# Allegro board PandaX_III_V3.brd (continued)
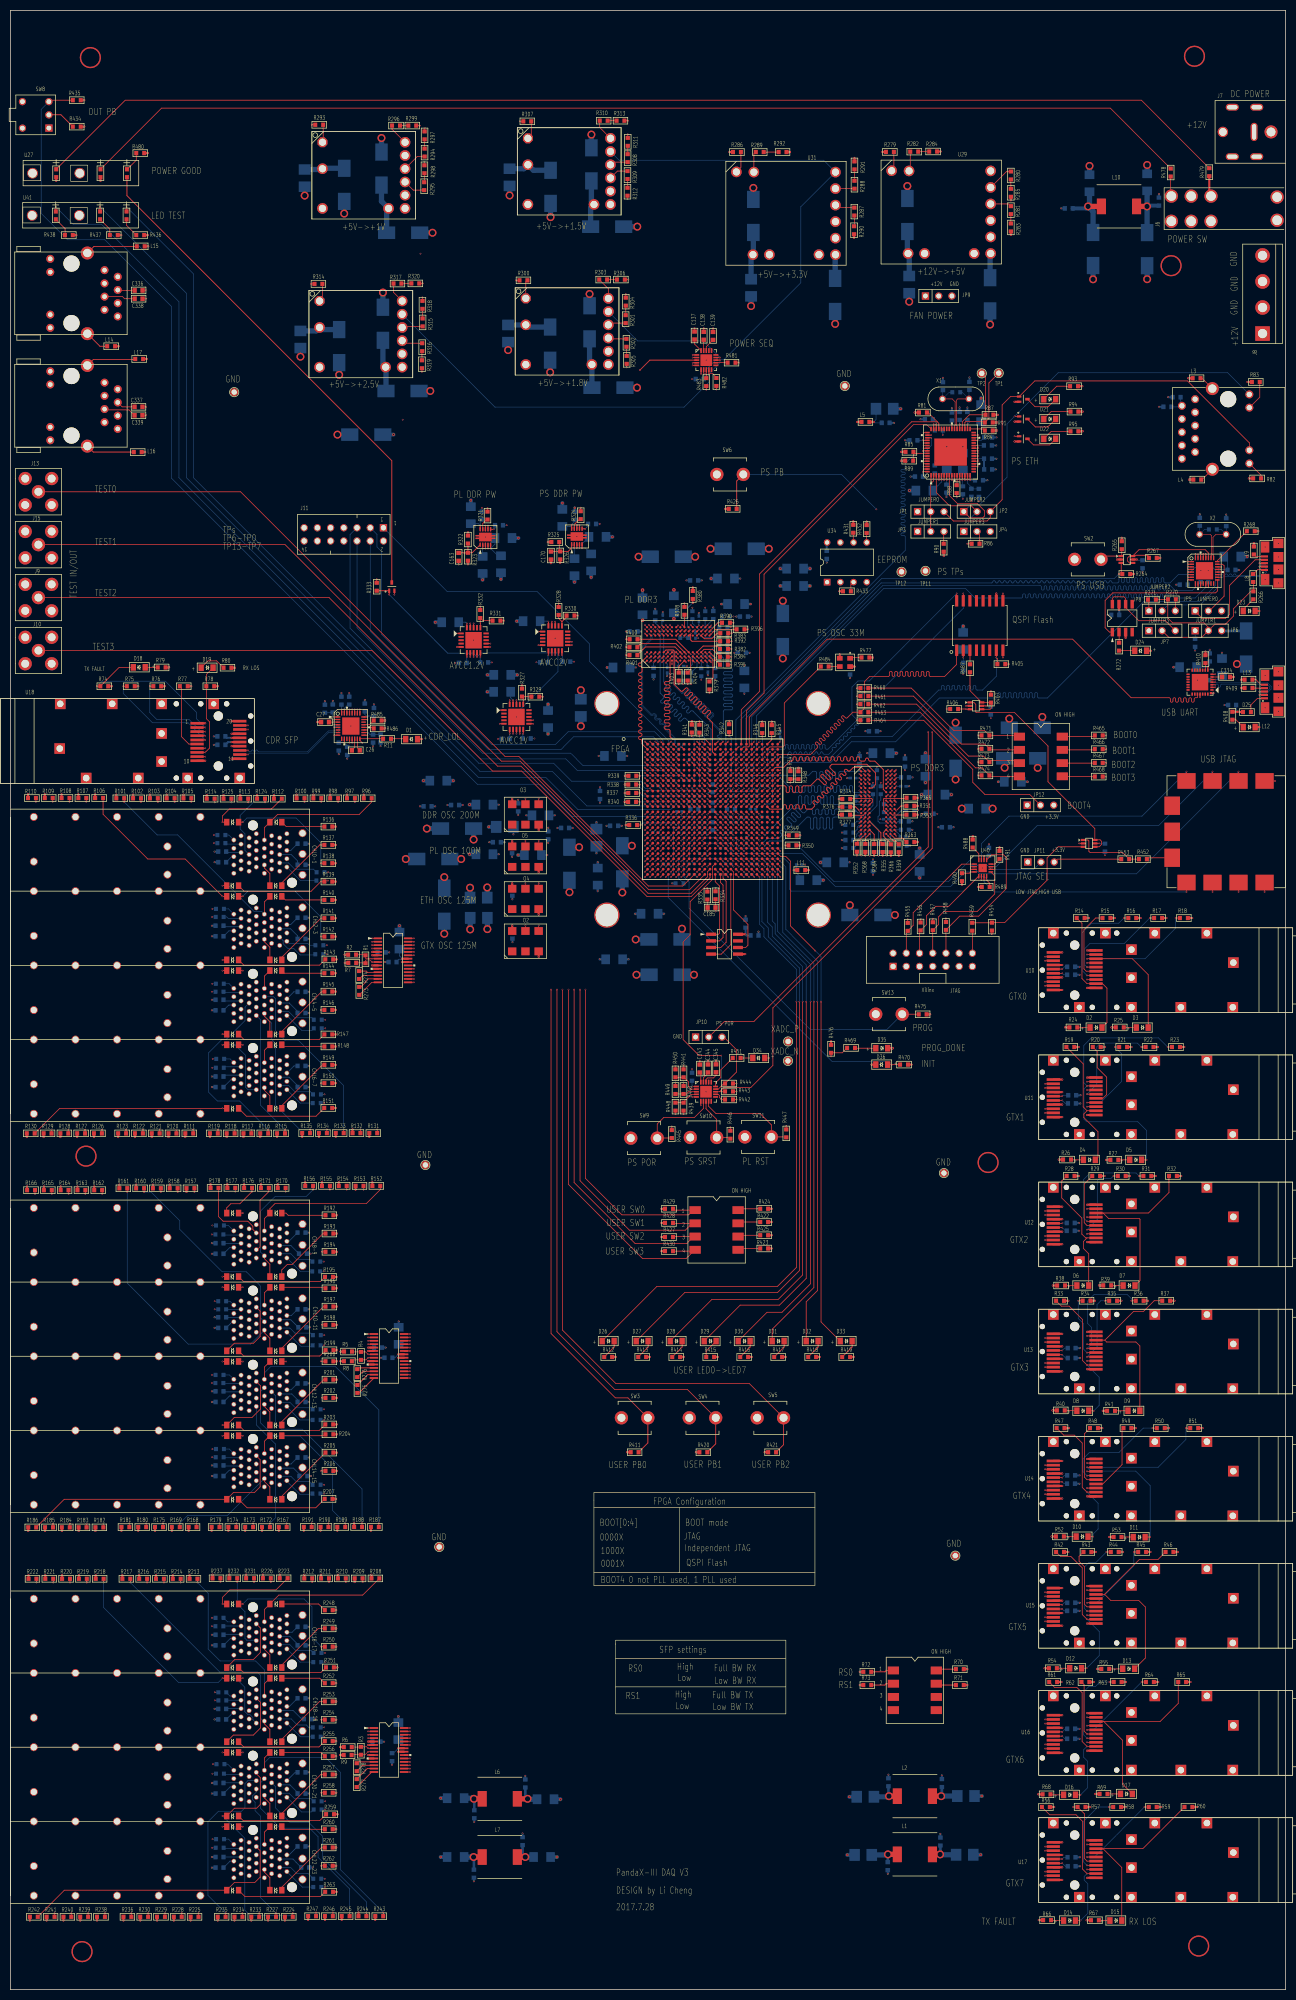
[diagram p0: board, top side]
## Routing (per net, layer and track width the routed paths; a pad name or vN(x,y) marks a point on that pad's centre or on a via; arc(x,y) is an arc through that point) (continued)
  BOTTOM w0.152: v1(133.86,256.43) 135.57,258.14 R391.1
PL_DDR3_ADDR10: length 45.8
  TOP w0.152: U43.L7 v1(130.71,260.36) 130.71,260.01 130.71,260 130.71,259.13 130.96,258.88 R392.1 ; U1.E11 v1(131.92,235.62)
  SIG4 w0.152: v1(131.92,235.62) 131.42,236.12 131.42,244.4 130.87,244.94 arc(130.66,245.03) 130.44,244.94 130.27,244.77 arc(129.83,244.77) 129.83,245.2 130.01,245.38 arc(130.01,245.81) 129.58,245.81 129.4,245.63 arc(128.97,245.63) 128.97,246.06 129.15,246.24 arc(129.15,246.67) 128.72,246.67 128.54,246.49 arc(128.11,246.49) 128.11,246.92 128.29,247.1 arc(128.38,247.32) 128.29,247.53 127.46,248.36 127.46,250.83 128.4,251.77 arc(128.49,251.99) 128.4,252.2 128.31,252.29 arc(128.31,252.72) 128.74,252.72 128.83,252.63 arc(129.26,252.63) 129.26,253.06 129.17,253.15 arc(129.17,253.58) 129.6,253.58 129.69,253.49 arc(129.91,253.41) 130.13,253.49 130.43,253.8 130.43,255.07 130.25,255.25 130.25,257.91 arc(130.34,258.13) 130.56,258.22 132.18,258.22 arc(132.49,258.52) 132.18,258.83 130.56,258.83 arc(130.34,258.92) 130.25,259.13 130.25,259.9 v1(130.71,260.36)
PL_DDR3_ADDR11: length 41.7
  TOP w0.127: U43.R7 v1(133.86,260.31)
  TOP w0.152: U1.D10 v1(130.92,236.62)
  SIG2 w0.152: v1(130.92,236.62) 130.92,236.64 130.4,237.16 130.4,239.57 127.91,242.06 127.91,242.9 arc(128,243.12) 128.22,243.21 128.52,243.21 arc(128.83,243.51) 128.52,243.82 128.22,243.82 arc(127.91,244.12) 128.22,244.43 128.52,244.43 arc(128.83,244.73) 128.52,245.03 128.22,245.03 arc(127.91,245.34) 128.22,245.64 128.52,245.64 arc(128.83,245.95) 128.52,246.25 128.22,246.25 arc(127.91,246.56) 128.22,246.86 128.52,246.86 arc(128.83,247.17) 128.52,247.47 128.22,247.47 arc(127.91,247.78) 128.22,248.08 128.52,248.08 arc(128.83,248.39) 128.52,248.69 128.22,248.69 arc(127.91,249) 128.22,249.3 128.52,249.3 arc(128.83,249.61) 128.52,249.91 128.22,249.91 arc(128,250) 127.91,250.22 127.91,258.37 129.41,259.87 133.42,259.87 v1(133.86,260.31)
  BOTTOM w0.152: v1(133.86,260.31) 134.33,260.78 135.45,260.78 136.22,261.54 R393.1
PL_DDR3_ADDR12: length 43.3
  TOP w0.127: U43.N7 v1(132.26,260.31)
  TOP w0.152: U1.E10 v1(130.92,235.62)
  SIG4 w0.152: v1(132.26,260.31) 131.84,260.73 129.77,260.73 129.46,260.42 129.46,259.96 arc(129.37,259.74) 129.16,259.65 127.79,259.65 arc(127.48,259.35) 127.79,259.04 129.16,259.04 arc(129.46,258.74) 129.16,258.43 127.79,258.43 arc(127.48,258.13) 127.79,257.82 129.16,257.82 arc(129.37,257.73) 129.46,257.52 129.46,254.53 126.49,251.56 126.49,247.04 130.1,243.43 130.1,236.44 v1(130.92,235.62)
  BOTTOM w0.152: R394.1 132.95,259.61 v1(132.26,260.31)
PL_DDR3_ADDR13: length 41.3
  TOP w0.127: U43.T3 v1(134.66,256.43)
  TOP w0.152: U1.E12 v1(132.92,235.62) ; R395.1 135.36,255.35 135.36,255.73 v1(134.66,256.43)
  SIG3 w0.152: v1(132.92,235.62) 132.98,235.62 133.45,236.09 134.49,236.09 134.75,236.35 134.75,240.48 arc(134.66,240.7) 134.44,240.79 134.29,240.79 arc(133.98,241.09) 134.29,241.4 134.44,241.4 arc(134.75,241.7) 134.44,242.01 134.29,242.01 arc(133.98,242.31) 134.29,242.62 134.44,242.62 arc(134.75,242.92) 134.44,243.23 134.29,243.23 arc(133.98,243.53) 134.29,243.83 134.44,243.83 arc(134.66,243.92) 134.75,244.14 134.75,244.66 arc(134.66,244.87) 134.44,244.96 133.63,244.96 arc(133.32,245.27) 133.63,245.57 134.44,245.57 arc(134.75,245.88) 134.44,246.18 133.63,246.18 arc(133.32,246.49) 133.63,246.79 134.44,246.79 arc(134.75,247.1) 134.44,247.4 133.63,247.4 arc(133.32,247.71) 133.63,248.01 134.44,248.01 arc(134.66,248.1) 134.75,248.32 134.75,249.47 arc(134.66,249.68) 134.44,249.77 133.6,249.77 arc(133.3,250.08) 133.6,250.38 134.44,250.38 arc(134.75,250.69) 134.44,250.99 133.6,250.99 arc(133.3,251.3) 133.6,251.6 134.44,251.6 arc(134.66,251.69) 134.75,251.91 134.75,252.83 134.19,253.39 134.19,254.69 134.19,255.96 v1(134.66,256.43)
PL_DDR3_ADDR14: length 44
  TOP w0.127: U43.T7 v1(134.66,260.31)
  TOP w0.152: U1.F12 v1(132.92,234.62) ; v1(134.66,260.31) 135.51,261.16 R396.1
  SIG3 w0.152: v1(134.66,260.31) 135.89,259.08 135.89,258.64 arc(135.8,258.42) 135.59,258.33 133.53,258.33 arc(133.22,258.03) 133.53,257.72 135.59,257.72 arc(135.8,257.64) 135.89,257.42 135.89,250.12 arc(135.8,249.91) 135.59,249.82 135.53,249.82 arc(135.23,249.51) 135.53,249.21 135.59,249.21 arc(135.89,248.9) 135.59,248.6 135.53,248.6 arc(135.23,248.29) 135.53,247.99 135.59,247.99 arc(135.89,247.68) 135.59,247.38 135.53,247.38 arc(135.23,247.07) 135.53,246.77 135.59,246.77 arc(135.89,246.46) 135.59,246.16 135.53,246.16 arc(135.23,245.85) 135.53,245.55 135.59,245.55 arc(135.89,245.25) 135.59,244.94 135.53,244.94 arc(135.23,244.64) 135.53,244.33 135.59,244.33 arc(135.89,244.03) 135.59,243.72 135.53,243.72 arc(135.23,243.42) 135.53,243.11 135.59,243.11 arc(135.8,243.02) 135.89,242.81 135.89,241.02 135.15,240.29 135.15,235.89 134.39,235.13 133.43,235.13 v1(132.92,234.62)
PL_DDR3_BA0: length 41.4
  TOP w0.127: U43.M2 v1(131.46,255.63)
  TOP w0.152: U1.G14 v1(135.93,233.62)
  SIG2 w0.152: v1(131.46,255.63) 131.05,255.22 129.62,255.22 129.46,255.07 129.46,253.39 133.32,249.53 134.8,249.53 135.66,248.67 135.66,247.88 arc(135.57,247.66) 135.36,247.57 135.13,247.57 arc(134.82,247.27) 135.13,246.97 135.36,246.97 arc(135.66,246.66) 135.36,246.36 135.13,246.36 arc(134.82,246.05) 135.13,245.75 135.36,245.75 arc(135.66,245.44) 135.36,245.14 135.13,245.14 arc(134.82,244.83) 135.13,244.53 135.36,244.53 arc(135.66,244.22) 135.36,243.92 135.13,243.92 arc(134.82,243.61) 135.13,243.31 135.36,243.31 arc(135.66,243) 135.36,242.7 135.13,242.7 arc(134.82,242.39) 135.13,242.09 135.36,242.09 arc(135.66,241.78) 135.36,241.48 135.13,241.48 arc(134.82,241.17) 135.13,240.87 135.36,240.87 arc(135.57,240.78) 135.66,240.56 136.27,239.95 136.27,238.15 arc(136.18,237.93) 135.97,237.84 135.13,237.84 arc(134.82,237.54) 135.13,237.23 135.97,237.23 arc(136.18,237.14) 136.27,236.93 136.27,236.6 136.3,236.6 136.3,233.99 v1(135.93,233.62)
  BOTTOM w0.152: v1(131.46,255.63) 131.92,255.17 131.92,253.99 R397.1
PL_DDR3_BA1: length 41.4
  TOP w0.127: U43.N8 v1(132.26,261.11)
  TOP w0.152: U1.G15 v1(136.93,233.62)
  SIG2 w0.152: v1(132.26,261.11) 132.66,260.71 138.13,260.71 138.36,260.94 139.01,260.94 139.52,260.43 139.52,233.35 139.37,233.2 137.35,233.2 v1(136.93,233.62)
  BOTTOM w0.152: v1(132.26,261.11) 131.04,262.33 R398.1
PL_DDR3_BA2: length 43.3
  TOP w0.127: U43.M3 v1(131.46,256.43)
  TOP w0.152: U1.G16 v1(137.93,233.62)
  SIG2 w0.152: v1(137.93,233.62) 138.48,234.18 138.48,241.33 137.62,242.19 137.62,245.95 arc(137.67,246.07) 137.78,246.11 arc(137.9,246.16) 137.95,246.28 137.95,246.56 arc(137.9,246.68) 137.78,246.72 arc(137.67,246.77) 137.62,246.89 137.62,247.17 arc(137.67,247.29) 137.78,247.33 arc(137.9,247.38) 137.95,247.5 137.95,247.78 arc(137.9,247.89) 137.78,247.94 arc(137.67,247.99) 137.62,248.11 137.62,248.39 arc(137.67,248.5) 137.78,248.55 arc(137.9,248.6) 137.95,248.72 137.95,249 arc(137.9,249.11) 137.78,249.16 arc(137.67,249.21) 137.62,249.33 137.62,249.61 arc(137.67,249.72) 137.78,249.77 arc(137.9,249.82) 137.95,249.94 137.95,250.22 arc(137.9,250.33) 137.78,250.38 arc(137.67,250.43) 137.62,250.55 137.62,250.83 arc(137.67,250.94) 137.78,250.99 arc(137.9,251.04) 137.95,251.16 137.95,251.44 arc(137.9,251.55) 137.78,251.6 arc(137.67,251.65) 137.62,251.77 137.62,252.05 arc(137.53,252.26) 137.31,252.35 136.32,252.35 arc(136.02,252.65) 136.32,252.96 137.31,252.96 arc(137.53,253.05) 137.62,253.26 137.62,253.54 136.93,254.23 136.07,254.23 arc(135.85,254.14) 135.76,253.92 135.76,253.57 arc(135.46,253.26) 135.15,253.57 135.15,253.92 arc(134.85,254.23) 134.54,253.92 134.54,253.57 arc(134.24,253.26) 133.93,253.57 133.93,253.92 arc(133.63,254.23) 133.32,253.92 133.32,253.57 arc(133.02,253.26) 132.71,253.57 132.71,253.92 arc(132.63,254.14) 132.41,254.23 132.13,254.23 131.93,254.43 131.93,255.96 v1(131.46,256.43)
  BOTTOM w0.152: R399.1 129.44,252.83 131.01,254.41 131.01,255.99 v1(131.46,256.43)
PL_DDR3_CAS_B: length 48.2
  TOP w0.127: U43.K3 v1(129.86,256.43)
  TOP w0.152: R402.1 121.16,258.42 127.87,258.42 U43.K3 ; U1.J14 v1(135.93,231.62)
  SIG1 w0.152: v1(129.86,256.43) 130.33,255.96 130.33,251.92 131.34,250.9 131.34,250.22 arc(131.25,250) 131.04,249.91 129.95,249.91 arc(129.64,249.61) 129.95,249.3 131.04,249.3 arc(131.34,249) 131.04,248.69 129.95,248.69 arc(129.64,248.39) 129.95,248.08 131.04,248.08 arc(131.34,247.78) 131.04,247.47 129.95,247.47 arc(129.64,247.17) 129.95,246.86 131.04,246.86 arc(131.25,246.77) 131.34,246.56 131.34,245.21 133.43,243.13 133.43,232.31 133.65,232.08 134.44,232.08 134.9,231.62 v1(135.93,231.62)
PL_DDR3_CK_N: length 40.5
  TOP w0.127: U43.K7 v1(129.86,260.31)
  TOP w0.152: U1.E15 v1(136.93,235.62)
  SIG1 w0.102: v1(129.86,260.31) 129.57,260.02 129.57,259.56 arc(129.45,259.26) 129.14,259.13 128.09,259.13 arc(127.89,258.93) 128.09,258.72 129.14,258.72 arc(129.45,258.6) 129.57,258.29 129.57,257.37 129.74,257.2 130.75,257.2 arc(130.89,257.26) 130.95,257.4 arc(131.07,257.69) 131.36,257.81 131.51,257.81 arc(131.73,257.72) 131.82,257.51 131.82,257.4 arc(132.02,257.2) 132.22,257.4 arc(132.34,257.69) 132.63,257.81 132.78,257.81 arc(133,257.72) 133.09,257.51 133.09,257.4 arc(133.15,257.26) 133.29,257.2 135.32,257.2 136.19,256.33 136.19,240.75 135.46,240.01 135.46,237.06 arc(135.52,236.92) 135.66,236.86 arc(135.86,236.65) 135.66,236.45 arc(135.52,236.39) 135.46,236.25 135.46,235.42 135.62,235.26 136.6,235.26 136.93,235.58 v1(136.93,235.62)
  BOTTOM w0.102: R381.2 129.68,259.54 129.58,259.64 129.58,259.92 129.57,259.92 129.57,260.02 v1(129.86,260.31)
PL_DDR3_CK_P: length 40.5
  TOP w0.127: U43.J7 v1(129.06,260.31)
  TOP w0.152: U1.F15 v1(136.93,234.62)
  SIG1 w0.102: v1(129.06,260.31) 129.34,260.02 129.34,259.56 arc(129.28,259.42) 129.14,259.36 128.09,259.36 arc(127.66,258.93) 128.09,258.5 129.14,258.5 arc(129.28,258.44) 129.34,258.29 129.34,257.27 129.64,256.97 130.75,256.97 arc(131.05,257.1) 131.18,257.4 arc(131.23,257.53) 131.36,257.58 131.51,257.58 arc(131.56,257.56) 131.59,257.51 131.59,257.4 arc(132.02,256.97) 132.45,257.4 arc(132.5,257.53) 132.63,257.58 132.78,257.58 arc(132.83,257.56) 132.86,257.51 132.86,257.4 arc(132.98,257.1) 133.29,256.97 135.23,256.97 135.97,256.24 135.97,240.84 135.23,240.11 135.23,235.32 135.53,235.03 136.65,235.03 136.93,234.75 v1(136.93,234.62)
  BOTTOM w0.102: R381.1 129.25,259.54 129.35,259.64 129.35,259.82 129.34,259.83 129.34,260.02 v1(129.06,260.31)
PL_DDR3_CKE: length 40.8
  TOP w0.152: R378.1 129.51,263.37 129.52,263.37 U43.K9 v1(129.09,262) ; U1.C16 v1(137.93,237.62)
  SIG1 w0.152: v1(129.09,262) 129.57,261.52 137.82,261.52 138.18,261.16 138.96,261.16 139.65,260.48 arc(139.71,260.33) 139.85,260.27 arc(140,260.22) 140.06,260.07 140.06,259.87 arc(140,259.72) 139.85,259.67 arc(139.71,259.61) 139.65,259.46 139.65,259.26 arc(139.71,259.12) 139.85,259.06 arc(140,259) 140.06,258.85 140.06,258.65 arc(140,258.51) 139.85,258.45 arc(139.71,258.39) 139.65,258.24 139.65,258.04 arc(139.71,257.9) 139.85,257.84 arc(140,257.78) 140.06,257.63 140.06,257.43 arc(140,257.29) 139.85,257.23 arc(139.71,257.17) 139.65,257.02 139.65,256.82 arc(139.71,256.68) 139.85,256.62 arc(140,256.56) 140.06,256.41 140.06,256.21 arc(140,256.07) 139.85,256.01 arc(139.71,255.95) 139.65,255.8 139.65,255.6 arc(139.71,255.46) 139.85,255.4 arc(140,255.34) 140.06,255.19 140.06,254.99 arc(140,254.85) 139.85,254.79 arc(139.71,254.73) 139.65,254.59 139.65,253.65 138.68,252.68 138.68,238.38 v1(137.93,237.62)
PL_DDR3_CS_B: length 41.7
  TOP w0.127: U43.L2 v1(130.66,255.63)
  TOP w0.152: R404.1 130.71,253.44 130.71,255.58 v1(130.66,255.63) ; U1.C17 v1(138.93,237.62)
  SIG2 w0.152: v1(130.66,255.63) 131.09,256.06 131.09,256.57 131.52,257 131.88,257 arc(132.1,257.09) 132.19,257.3 132.19,258.27 arc(132.49,258.57) 132.8,258.27 132.8,257.3 arc(133.1,257) 133.41,257.3 133.41,258.27 arc(133.71,258.57) 134.02,258.27 134.02,257.3 arc(134.11,257.09) 134.32,257 134.9,257 135.34,256.56 arc(135.56,256.47) 135.77,256.56 136.47,257.26 arc(136.9,257.26) 136.9,256.83 136.2,256.13 arc(136.11,255.91) 136.2,255.7 138.93,252.97 138.93,252.63 arc(138.87,252.48) 138.72,252.42 arc(138.57,252.35) 138.51,252.2 138.51,252.02 arc(138.57,251.87) 138.72,251.81 arc(138.87,251.74) 138.93,251.6 138.93,251.41 arc(138.87,251.26) 138.72,251.2 arc(138.57,251.13) 138.51,250.99 138.51,250.8 arc(138.57,250.65) 138.72,250.59 arc(138.87,250.52) 138.93,250.38 138.93,250.19 arc(138.87,250.04) 138.72,249.98 arc(138.57,249.92) 138.51,249.77 138.51,249.58 arc(138.57,249.43) 138.72,249.37 arc(138.87,249.31) 138.93,249.16 138.93,248.97 arc(138.87,248.82) 138.72,248.76 arc(138.57,248.7) 138.51,248.55 138.51,248.36 arc(138.57,248.21) 138.72,248.15 arc(138.87,248.09) 138.93,247.94 138.93,247.75 arc(138.87,247.6) 138.72,247.54 arc(138.57,247.48) 138.51,247.33 138.51,247.14 arc(138.57,246.99) 138.72,246.93 arc(138.87,246.87) 138.93,246.72 138.93,246.53 arc(138.87,246.38) 138.72,246.32 arc(138.57,246.26) 138.51,246.11 138.51,245.92 arc(138.57,245.77) 138.72,245.71 arc(138.87,245.65) 138.93,245.5 138.93,245.31 arc(138.87,245.16) 138.72,245.1 arc(138.57,245.04) 138.51,244.89 138.51,244.7 arc(138.57,244.55) 138.72,244.49 arc(138.87,244.43) 138.93,244.28 v1(138.93,237.62)
PL_DDR3_DQ0: length 38
  TOP w0.152: U43.E3 125.95,257.2 127.33,257.2 127.53,257 127.53,250.6 128.78,249.35 arc(128.99,249.26) 129.21,249.35 129.71,249.85 arc(130.14,249.85) 130.14,249.42 129.64,248.92 arc(129.64,248.49) 130.07,248.49 130.57,248.99 arc(131,248.99) 131,248.55 130.5,248.06 arc(130.5,247.63) 130.93,247.63 131.43,248.12 arc(131.86,248.12) 131.86,247.69 131.37,247.2 arc(131.37,246.77) 131.8,246.77 132.29,247.26 arc(132.72,247.26) 132.72,246.83 132.23,246.33 arc(132.23,245.9) 132.66,245.9 133.15,246.4 arc(133.59,246.4) 133.59,245.97 133.09,245.47 arc(133.09,245.04) 133.52,245.04 134.02,245.54 arc(134.45,245.54) 134.45,245.11 133.95,244.61 arc(133.86,244.39) 133.95,244.18 134.9,243.23 134.9,237.65 U1.C14
PL_DDR3_DQ1: length 33.1
  TOP w0.127: U43.F7 v1(125.98,260.31)
  TOP w0.152: U1.B14 v1(135.93,238.62)
  SIG1 w0.152: v1(135.93,238.62) 135.93,239.09 136.73,239.89 136.73,257.38 135.28,258.83 132.13,258.83 131.62,259.34 131.62,260.2 131.13,260.69 126.37,260.69 v1(125.98,260.31)
PL_DDR3_DQ2: length 32.7
  TOP w0.102: U43.F2 v1(125.93,255.58)
  TOP w0.152: U1.C12 v1(132.92,237.62)
  SIG1 w0.152: v1(132.92,237.62) 132.38,238.16 132.38,239.9 130.51,241.78 arc(130.46,241.9) 130.51,242.02 arc(130.56,242.14) 130.51,242.26 130.32,242.45 arc(130.2,242.5) 130.08,242.45 arc(129.96,242.4) 129.84,242.45 129.65,242.64 arc(129.6,242.76) 129.65,242.88 arc(129.7,243) 129.65,243.13 129.46,243.31 arc(129.34,243.36) 129.22,243.31 arc(129.09,243.26) 128.97,243.31 128.78,243.5 arc(128.73,243.63) 128.78,243.75 arc(128.83,243.87) 128.78,243.99 128.59,244.18 arc(128.47,244.23) 128.35,244.18 arc(128.23,244.13) 128.11,244.18 127.92,244.37 arc(127.87,244.49) 127.92,244.61 arc(127.97,244.73) 127.92,244.85 127.73,245.04 arc(127.61,245.09) 127.49,245.04 arc(127.37,244.99) 127.25,245.04 126.62,245.67 126.62,246.4 arc(126.71,246.62) 126.92,246.71 127.33,246.71 arc(127.63,247.01) 127.33,247.31 126.92,247.31 arc(126.62,247.62) 126.92,247.92 127.33,247.92 arc(127.63,248.23) 127.33,248.53 126.92,248.53 arc(126.62,248.84) 126.92,249.14 127.33,249.14 arc(127.63,249.45) 127.33,249.75 126.92,249.75 arc(126.62,250.06) 126.92,250.36 127.33,250.36 arc(127.63,250.67) 127.33,250.97 126.92,250.97 arc(126.62,251.28) 126.92,251.58 127.33,251.58 arc(127.63,251.89) 127.33,252.19 126.92,252.19 arc(126.62,252.5) 126.92,252.8 127.33,252.8 arc(127.63,253.11) 127.33,253.41 126.92,253.41 arc(126.71,253.5) 126.62,253.72 126.62,254.89 v1(125.93,255.58)
PL_DDR3_DQ3: length 37.8
  TOP w0.102: U43.F8 v1(125.93,261.16)
  TOP w0.152: U1.B12 v1(132.92,238.62)
  BOTTOM w0.152: v1(125.93,261.16) 125.57,260.81 124.99,260.81 124.84,260.66 124.84,248.95 125.44,248.35 arc(125.53,248.13) 125.44,247.92 125.02,247.5 arc(125.02,247.07) 125.45,247.07 125.87,247.49 arc(126.3,247.49) 126.3,247.06 125.88,246.64 arc(125.88,246.21) 126.31,246.21 126.73,246.63 arc(127.16,246.63) 127.16,246.19 126.74,245.77 arc(126.74,245.34) 127.17,245.34 127.59,245.76 arc(128.02,245.76) 128.02,245.33 127.6,244.91 arc(127.6,244.48) 128.04,244.48 128.46,244.9 arc(128.89,244.9) 128.89,244.47 128.47,244.05 arc(128.47,243.62) 128.9,243.62 129.32,244.04 arc(129.53,244.13) 129.75,244.04 133.38,240.41 133.38,239.04 132.96,238.62 v1(132.92,238.62)
PL_DDR3_DQ4: length 32.8
  TOP w0.127: U43.H3 v1(128.26,256.43)
  TOP w0.152: U1.C11 v1(131.92,237.62)
  SIG1 w0.152: v1(128.26,256.43) 127.81,255.98 125.73,255.98 125.58,255.83 125.58,253.84 arc(125.49,253.62) 125.27,253.53 124.97,253.53 arc(124.66,253.23) 124.97,252.92 125.27,252.92 arc(125.58,252.62) 125.27,252.31 124.97,252.31 arc(124.66,252.01) 124.97,251.7 125.27,251.7 arc(125.58,251.4) 125.27,251.09 124.97,251.09 arc(124.66,250.79) 124.97,250.48 125.27,250.48 arc(125.58,250.18) 125.27,249.87 124.97,249.87 arc(124.66,249.57) 124.97,249.27 125.27,249.27 arc(125.58,248.96) 125.27,248.66 124.97,248.66 arc(124.66,248.35) 124.97,248.05 125.27,248.05 arc(125.58,247.74) 125.27,247.44 124.97,247.44 arc(124.66,247.13) 124.97,246.83 125.27,246.83 arc(125.49,246.74) 125.58,246.52 125.58,245.21 131.42,239.37 131.42,238.13 v1(131.92,237.62)
PL_DDR3_DQ5: length 33.1
  TOP w0.127: U43.H8 v1(128.26,261.11)
  TOP w0.152: U1.B11 v1(131.92,238.62)
  SIG3 w0.152: v1(131.92,238.62) 131.02,238.62 126.82,242.83 126.82,245.4 arc(126.73,245.62) 126.52,245.71 126.29,245.71 arc(125.98,246.01) 126.29,246.32 126.52,246.32 arc(126.82,246.62) 126.52,246.93 126.29,246.93 arc(125.98,247.23) 126.29,247.54 126.52,247.54 arc(126.82,247.84) 126.52,248.15 126.29,248.15 arc(125.98,248.45) 126.29,248.76 126.52,248.76 arc(126.82,249.06) 126.52,249.37 126.29,249.37 arc(125.98,249.67) 126.29,249.98 126.52,249.98 arc(126.82,250.28) 126.52,250.59 126.29,250.59 arc(125.98,250.89) 126.29,251.2 126.52,251.2 arc(126.73,251.29) 126.82,251.5 126.82,253.95 126.31,254.46 126.31,259.16 v1(128.26,261.11)
PL_DDR3_DQ6: length 37.5
  TOP w0.152: U43.G2 126.74,255.59 126.74,251.42 arc(126.66,251.21) 126.44,251.12 125.93,251.12 arc(125.63,250.81) 125.93,250.51 126.44,250.51 arc(126.74,250.2) 126.44,249.9 125.93,249.9 arc(125.63,249.59) 125.93,249.29 126.44,249.29 arc(126.74,248.98) 126.44,248.68 125.93,248.68 arc(125.63,248.37) 125.93,248.07 126.44,248.07 arc(126.74,247.77) 126.44,247.46 125.93,247.46 arc(125.63,247.16) 125.93,246.85 126.44,246.85 arc(126.74,246.55) 126.44,246.24 125.93,246.24 arc(125.63,245.94) 125.93,245.63 126.44,245.63 arc(126.74,245.33) 126.44,245.02 125.93,245.02 arc(125.63,244.72) 125.93,244.41 126.44,244.41 arc(126.74,244.11) 126.44,243.8 125.93,243.8 arc(125.63,243.5) 125.93,243.19 126.44,243.19 arc(126.74,242.89) 126.44,242.58 125.93,242.58 arc(125.63,242.28) 125.93,241.97 126.44,241.97 arc(126.66,241.88) 126.74,241.67 126.74,240.57 127.25,240.06 133.49,240.06 U1.A13
PL_DDR3_DQ7: length 33.2
  TOP w0.102: U1.A12 v1(132.92,239.62)
  TOP w0.127: U43.H7 v1(128.26,260.31)
  SIG3 w0.152: v1(132.92,239.62) 132.26,240.29 132.24,240.29 132.03,240.49 132.03,240.51 129.48,243.06 arc(129.39,243.28) 129.48,243.49 129.63,243.65 arc(129.63,244.08) 129.2,244.08 129.05,243.92 arc(128.62,243.92) 128.62,244.36 128.77,244.51 arc(128.77,244.94) 128.34,244.94 128.19,244.79 arc(127.97,244.7) 127.76,244.79 127.56,244.98 127.56,246.46 arc(127.65,246.68) 127.86,246.77 128.6,246.77 arc(128.9,247.07) 128.6,247.38 127.86,247.38 arc(127.56,247.68) 127.86,247.99 128.6,247.99 arc(128.9,248.29) 128.6,248.6 127.86,248.6 arc(127.56,248.9) 127.86,249.21 128.6,249.21 arc(128.9,249.51) 128.6,249.82 127.86,249.82 arc(127.65,249.91) 127.56,250.12 127.56,259.61 v1(128.26,260.31)
PL_DDR3_DQ8: length 24.9
  TOP w0.127: U43.D7 v1(124.38,260.31)
  TOP w0.152: U1.B5 v1(125.92,238.62)
  SIG3 w0.152: v1(125.92,238.62) 125.58,238.97 125.58,239.83 arc(125.67,240.05) 125.88,240.14 arc(126.19,240.44) 125.88,240.75 arc(125.58,241.05) 125.88,241.36 arc(126.19,241.66) 125.88,241.97 arc(125.67,242.06) 125.58,242.27 125.58,259.11 v1(124.38,260.31)
PL_DDR3_DQ9: length 24.9
  TOP w0.127: U43.C3 v1(123.58,256.43)
  TOP w0.152: U1.B4 v1(124.92,238.62)
  SIG2 w0.152: v1(124.92,238.62) 124.43,239.11 124.43,240.13 arc(124.35,240.34) 124.13,240.43 124.03,240.43 arc(123.72,240.74) 124.03,241.04 124.13,241.04 arc(124.35,241.13) 124.43,241.35 124.43,241.71 arc(124.36,241.88) 124.19,241.95 arc(124.02,242.02) 123.95,242.19 123.95,242.32 arc(124.02,242.49) 124.19,242.56 arc(124.36,242.63) 124.43,242.8 124.43,242.93 arc(124.36,243.1) 124.19,243.17 arc(124.02,243.24) 123.95,243.41 123.95,243.54 arc(124.02,243.71) 124.19,243.78 arc(124.36,243.85) 124.43,244.02 124.43,244.15 arc(124.36,244.32) 124.19,244.39 arc(124.02,244.46) 123.95,244.63 123.95,244.76 arc(124.02,244.93) 124.19,245 arc(124.36,245.07) 124.43,245.24 124.43,245.37 arc(124.36,245.54) 124.19,245.61 arc(124.02,245.68) 123.95,245.85 123.95,245.97 arc(124.02,246.15) 124.19,246.22 arc(124.36,246.29) 124.43,246.46 124.43,246.58 arc(124.36,246.76) 124.19,246.83 arc(124.02,246.9) 123.95,247.07 123.95,247.19 arc(124.02,247.36) 124.19,247.44 arc(124.36,247.51) 124.43,247.68 124.43,247.8 arc(124.36,247.97) 124.19,248.04 arc(124.02,248.12) 123.95,248.29 123.95,248.41 arc(124.02,248.58) 124.19,248.65 arc(124.36,248.73) 124.43,248.9 124.43,249.02 arc(124.36,249.19) 124.19,249.26 arc(124.02,249.33) 123.95,249.51 123.95,249.63 arc(124.02,249.8) 124.19,249.87 arc(124.36,249.94) 124.43,250.11 124.43,250.24 arc(124.36,250.41) 124.19,250.48 arc(124.02,250.55) 123.95,250.72 123.95,250.85 arc(124.02,251.02) 124.19,251.09 arc(124.36,251.16) 124.43,251.33 124.43,253.49 123.95,253.98 123.95,256.06 v1(123.58,256.43)
PL_DDR3_DQ10: length 24.8
  TOP w0.102: U43.C8 v1(123.53,261.16)
  TOP w0.152: U1.A4 v1(124.92,239.62)
  SIG3 w0.152: v1(124.92,239.62) 124.76,239.78 124.76,257.71 arc(124.68,257.93) 124.46,258.01 124.08,258.01 arc(123.77,258.32) 124.08,258.62 124.46,258.62 arc(124.68,258.71) 124.76,258.93 124.76,259.21 124.05,259.92 124.05,260.64 v1(123.53,261.16)
PL_DDR3_DQ11: length 25
  TOP w0.127: U43.C2 v1(123.58,255.63)
  TOP w0.152: U1.A3 v1(123.92,239.62)
  SIG3 w0.152: v1(123.92,239.62) 124.05,239.75 124.05,240.97 arc(123.96,241.18) 123.75,241.27 123.57,241.27 arc(123.27,241.58) 123.57,241.88 123.75,241.88 arc(123.96,241.97) 124.05,242.18 124.05,243.29 arc(123.96,243.51) 123.75,243.6 123.62,243.6 arc(123.32,243.9) 123.62,244.21 123.75,244.21 arc(124.05,244.51) 123.75,244.82 123.62,244.82 arc(123.32,245.12) 123.62,245.43 123.75,245.43 arc(124.05,245.73) 123.75,246.04 123.62,246.04 arc(123.32,246.34) 123.62,246.65 123.75,246.65 arc(124.05,246.95) 123.75,247.26 123.62,247.26 arc(123.32,247.56) 123.62,247.87 123.75,247.87 arc(124.05,248.17) 123.75,248.47 123.62,248.47 arc(123.32,248.78) 123.62,249.08 123.75,249.08 arc(124.05,249.39) 123.75,249.69 123.62,249.69 arc(123.32,250) 123.62,250.3 123.75,250.3 arc(123.96,250.39) 124.05,250.61 124.05,252.65 arc(123.96,252.87) 123.75,252.96 123.7,252.96 arc(123.39,253.26) 123.7,253.57 123.75,253.57 arc(123.96,253.65) 124.05,253.87 124.05,255.16 v1(123.58,255.63)
PL_DDR3_DQ12: length 24.9
  TOP w0.102: U1.C2 v1(122.92,237.62)
  TOP w0.152: U43.A7 v1(121.93,260.36)
  SIG2 w0.152: v1(121.93,260.36) 121.36,259.8 121.36,239.18 v1(122.92,237.62)
PL_DDR3_DQ13: length 28.4
  TOP w0.152: U43.A2 121.36,255.01 arc(121.27,254.79) 121.06,254.7 120.92,254.7 arc(120.62,254.4) 120.92,254.1 121.06,254.1 arc(121.27,254.01) 121.36,253.79 121.36,253.12 arc(121.27,252.91) 121.06,252.82 121.01,252.82 arc(120.7,252.51) 121.01,252.21 121.06,252.21 arc(121.36,251.9) 121.06,251.6 121.01,251.6 arc(120.7,251.3) 121.01,250.99 121.06,250.99 arc(121.36,250.69) 121.06,250.38 121.01,250.38 arc(120.7,250.08) 121.01,249.77 121.06,249.77 arc(121.36,249.47) 121.06,249.16 121.01,249.16 arc(120.7,248.86) 121.01,248.55 121.06,248.55 arc(121.36,248.25) 121.06,247.94 121.01,247.94 arc(120.7,247.64) 121.01,247.33 121.06,247.33 arc(121.36,247.03) 121.06,246.72 121.01,246.72 arc(120.7,246.42) 121.01,246.11 121.06,246.11 arc(121.36,245.81) 121.06,245.5 121.01,245.5 arc(120.7,245.2) 121.01,244.89 121.06,244.89 arc(121.36,244.59) 121.06,244.28 121.01,244.28 arc(120.7,243.98) 121.01,243.68 121.06,243.68 arc(121.36,243.37) 121.06,243.07 121.01,243.07 arc(120.7,242.76) 121.01,242.46 121.06,242.46 arc(121.36,242.15) 121.06,241.85 121.01,241.85 arc(120.7,241.54) 121.01,241.24 121.06,241.24 arc(121.36,240.93) 121.06,240.63 121.01,240.63 arc(120.7,240.32) 121.01,240.02 121.06,240.02 arc(121.27,239.93) 121.36,239.71 121.36,239.19 U1.B1
PL_DDR3_DQ14: length 24.9
  TOP w0.102: U43.B8 v1(122.73,261.16)
  TOP w0.152: U1.B2 v1(122.92,238.62)
  SIG3 w0.152: v1(122.92,238.62) 122.43,239.12 122.43,242.55 122.36,242.55 122.36,244.04 arc(122.34,244.1) 122.27,244.13 arc(122.2,244.16) 122.17,244.23 122.17,244.64 arc(122.2,244.71) 122.27,244.74 arc(122.34,244.77) 122.36,244.84 122.36,245.25 arc(122.34,245.32) 122.27,245.35 arc(122.2,245.38) 122.17,245.44 122.17,245.86 arc(122.2,245.93) 122.27,245.96 arc(122.34,245.99) 122.36,246.05 122.36,246.47 arc(122.34,246.54) 122.27,246.57 arc(122.2,246.6) 122.17,246.66 122.17,247.08 arc(122.2,247.15) 122.27,247.18 arc(122.34,247.21) 122.36,247.27 122.36,260.8 v1(122.73,261.16)
